# Altium PCB 大风车第二版.PcbDoc (part 1 of 2)
Units mil, origin at the board's own origin, x right, y up, seen from the top; angles counter-clockwise.
Board outline 3937.01 x 3937.01 mil, 2 copper layers (Top Layer, Bottom Layer); 147 components, 109 nets, 496 pads, 837 vias.
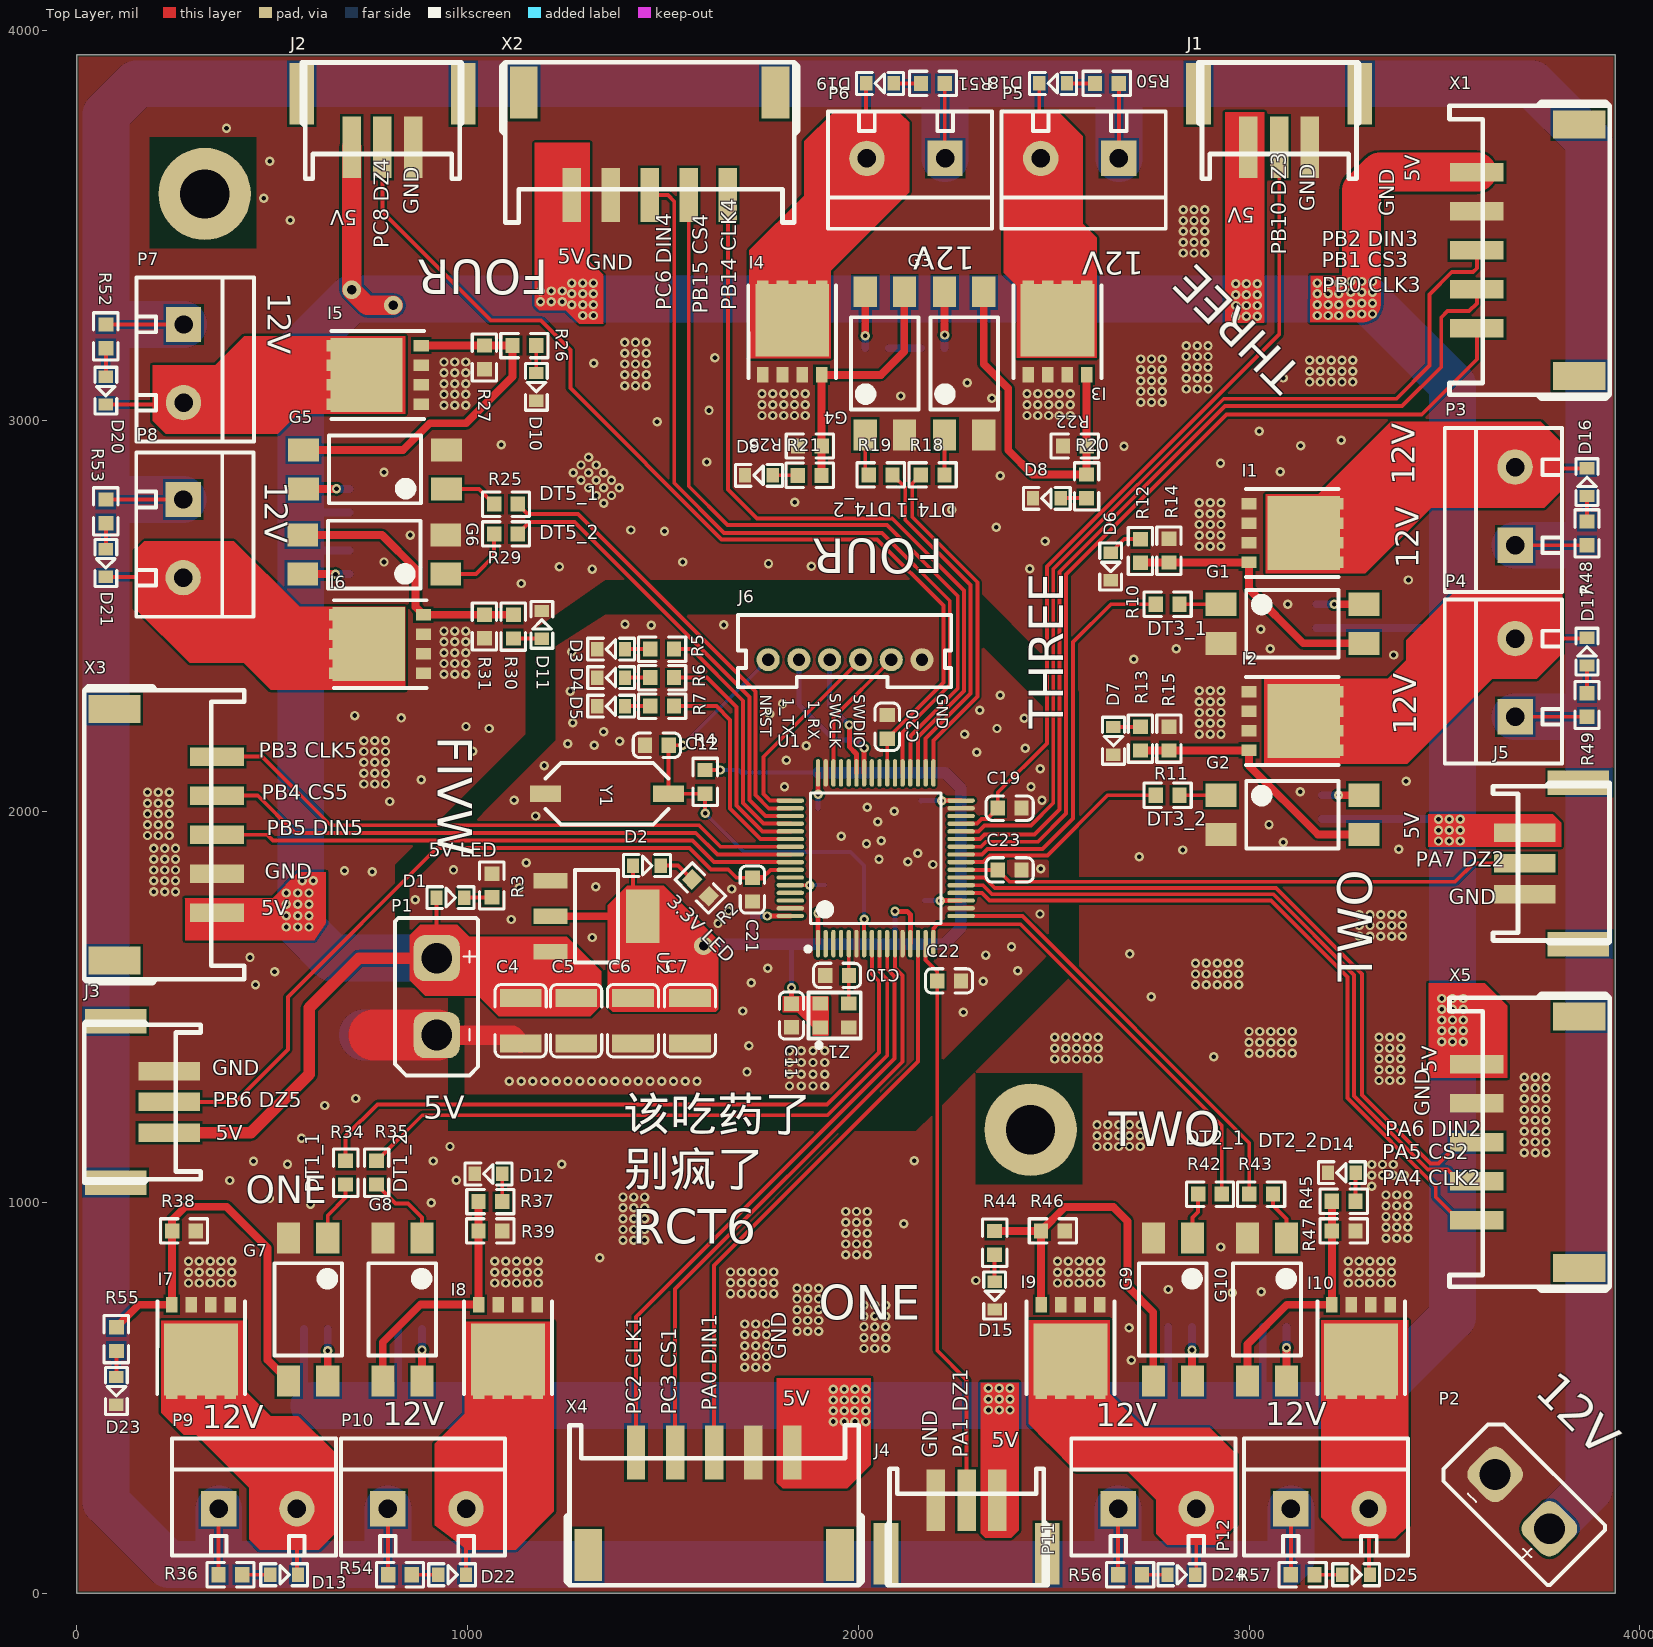
[diagram p0: Top Layer view]
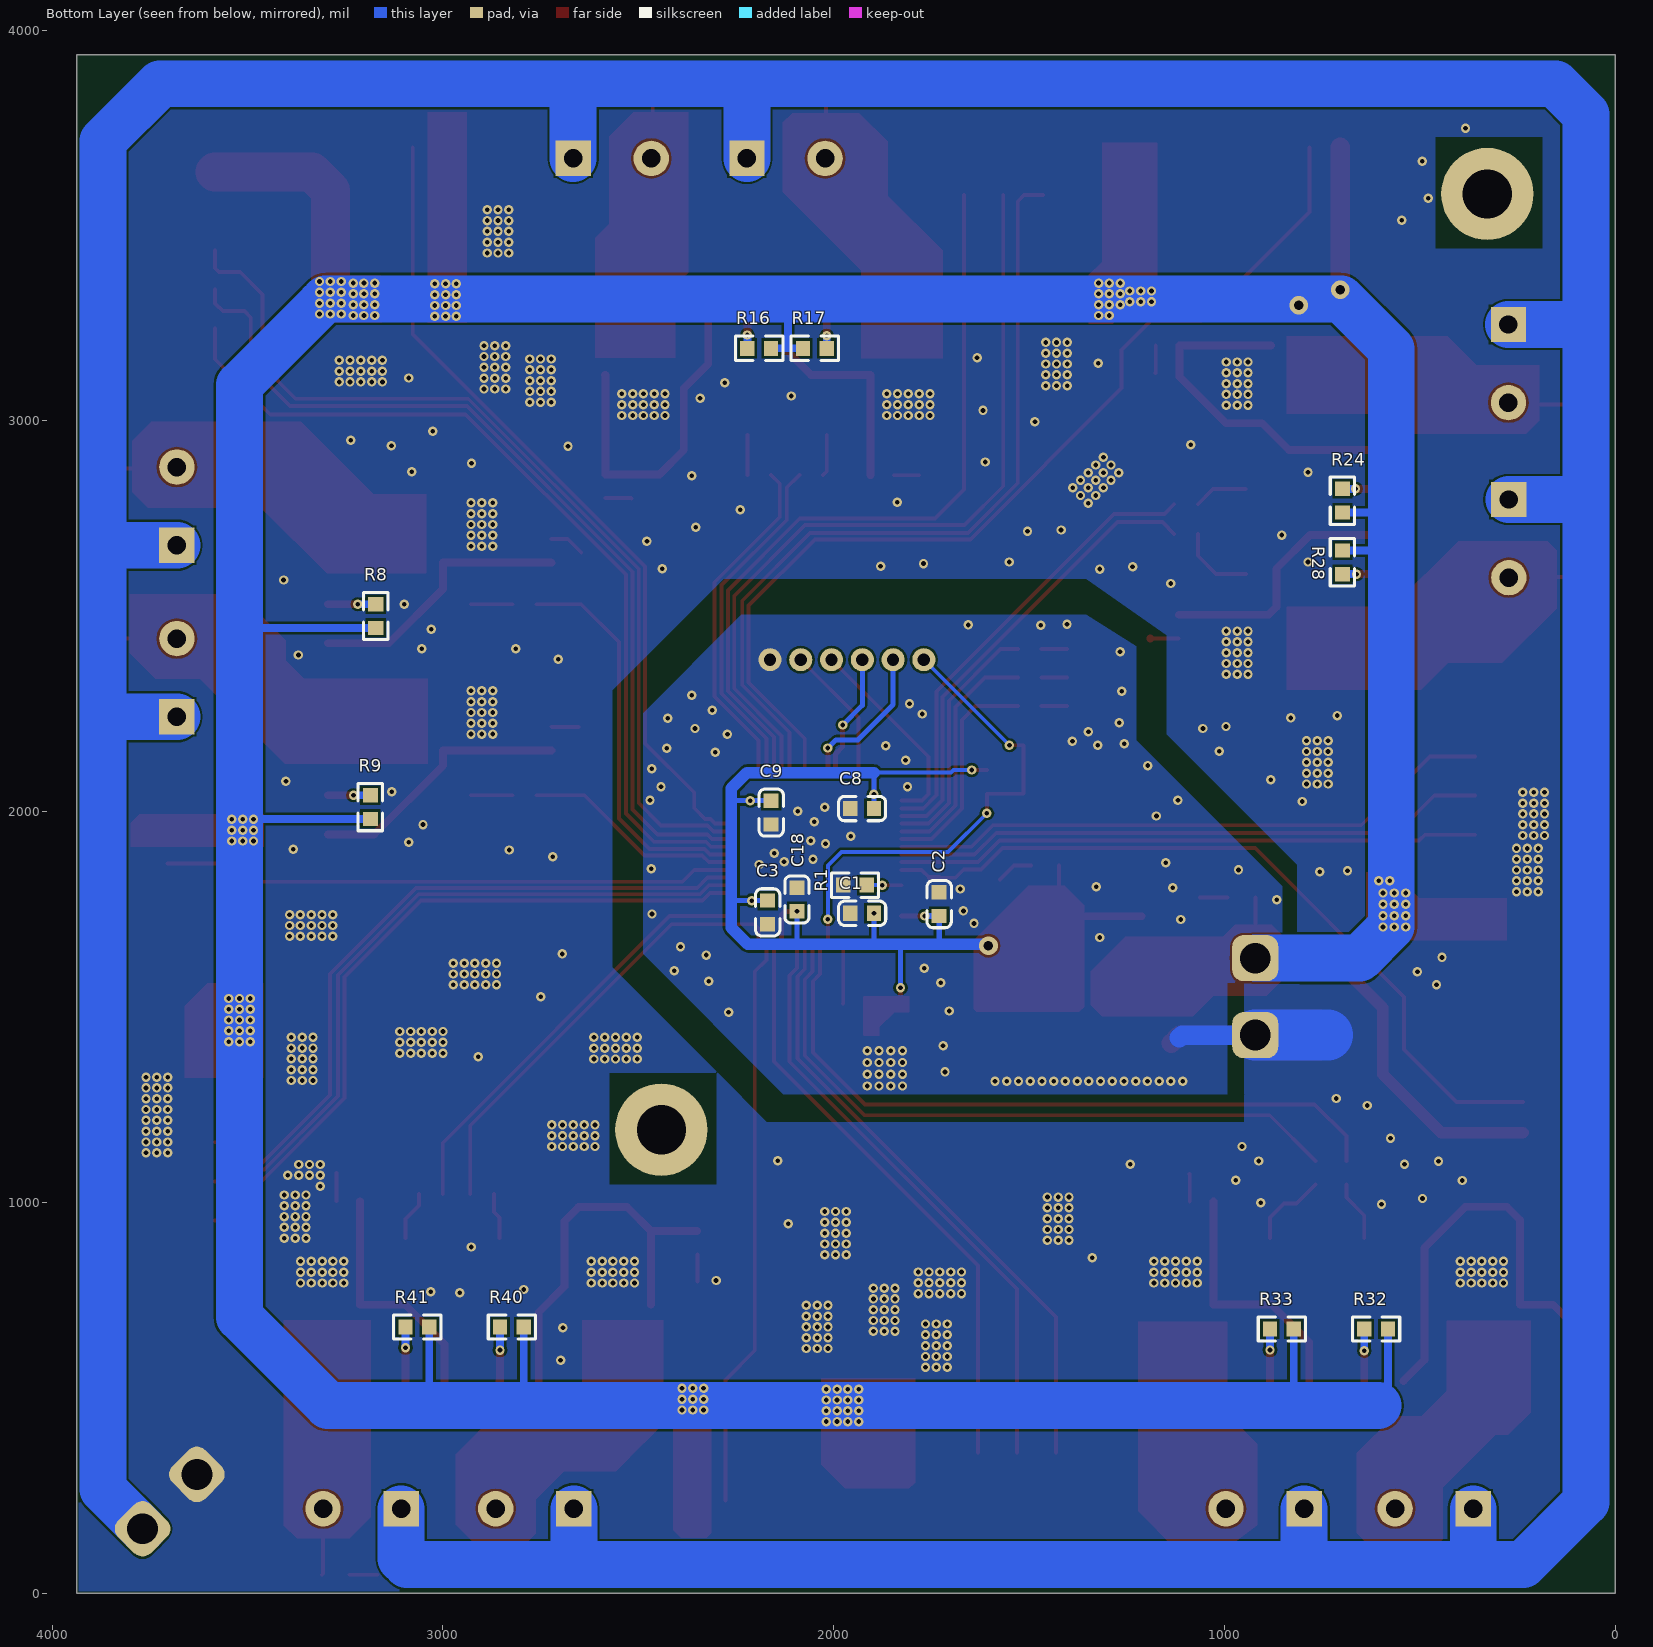
[diagram p1: Bottom Layer view, seen from below]

## Layer stack, top to bottom
Top Solder: solder mask 0.4, Solder Resist, Dk 3.5
Top Layer: signal copper 1.4
Dielectric 1: dielectric 12.6, FR-4, Dk 4.8
Bottom Layer: signal copper 1.4
Bottom Solder: solder mask 0.4, Solder Resist, Dk 3.5

## Board outline
0,0 0,3937.01 3937.01,3937.01 3937.01,0

## Design rules (kind name [scope] priority, off if disabled: settings)
Clearance [All] p1: gap=6 ignorepadtopadclearanceinfootprint=FALSE
PolygonConnect [All] p1: connectstyle=Direct reliefconductorwidth=10 reliefentries=4 polygonreliefangle="90 Angle" airgapwidth=10
RoutingVias [All] p1: holewidth=28 width=50 viastyle="Through Hole" minholewidth=28 minwidth=50 maxholewidth=28 maxwidth=50
SolderMaskExpansion [All] p1: expansion=4 istentingtop=FALSE
Width [All] p1: maxlimit=200 minlimit=10 preferedwidth=10
30 further rules are at their usual default settings.

## Classes and differential pairs
component class 大风车: C1 C2 C3 C6 C8 C10 C12 C13 C14 C15 C16 C17 D1 D2 D3 D4 D5 J2 P1 P2 R1 R3 R4 R5 R6 R7 U1 U2 Y1 Z1
component class 大风车灯条1: C14 C15 D10 D11 D14 D18 G1 G2 G3 G4 I1 I2 I3 I4 J2 J4 P3 P4 P5 P6 R29 R31 R50 R56 X1 X2
component class 大风车灯条2: C16 D7 D14 D16 D23 G5 G6 I5 I6 J4 P7 P8 R29 R31 R33 R44 R50 R52 R56 X3
component class 大风车灯条: C17 D11 D14 D18 D21 D22 D23 G7 G8 G9 G10 I7 I8 I9 I10 J6 P9 P10 P11 P12 R19 R33 R39 R44 R48 R49 R50 R52 R54 R56 X4 X5

## Components (designator, comment, footprint, x,y, rotation, side; value= is the part's Value field where it differs from the comment)
C1 "?uF" 0603_C 1927.49,1740 r0 bottom
C2 "?uF" 0603_C 1730.01,1763.63 r90 bottom
C3 "?uF" 0603_C 2169.01,1742 r270 bottom
C4 "47uF" 1210_C 1136,1465 r90 top (schematic designator C5)
C5 "10uF" 1210_C 1278,1464.99 r90 top (schematic designator C6)
C6 "47uF" 1210_C 1423.01,1464.99 r90 top (schematic designator C7)
C7 "10uF" 1210_C 1569.01,1464.99 r90 top (schematic designator C8)
C8 "?uF" 0603_C 1927.01,2008 r180 bottom (schematic designator C9)
C9 "?uF" 0603_C 2160.01,1998 r90 bottom (schematic designator C10)
C10 "15pF" 0603_C 1945.38,1581 r180 top (schematic designator C11)
C11 "100nF" 0603_C 1829.01,1478 r270 top (schematic designator C12)
C12 "100nF" 0603_C 1484.01,2170.01 r180 top (schematic designator C13)
C18 "?uF" 0603_C 2094.01,1775 r270 bottom
C19 "?uF" 0603_C 2387.01,2009 r180 top (schematic designator C14)
C20 "?uF" 0603_C 2074.01,2217 r270 top (schematic designator C15)
C21 "?uF" 0603_C 1729.01,1801 r90 top (schematic designator C16)
C22 "?uF" 0603_C 2232.01,1567 r180 top (schematic designator C17)
C23 "?uF" 0603_C 2387.01,1851 r180 top (schematic designator C18)
D1 "LED0" LED-0603 954.01,1778 r0 top
D2 "LED1" LED-0603 1457.01,1860 r0 top
D3 "LED2" LED-0603 1369.57,2418 r180 top
D4 "LED3" LED-0603 1369.57,2345 r180 top
D5 "LED3" LED-0603 1369.57,2272 r180 top
D6 "LED0" LED-0603 2644.01,2629.57 r270 top (schematic designator D8)
D7 "LED0" LED-0603 2651.01,2183.57 r270 top (schematic designator D9)
D8 "LED0" LED-0603 2484.57,2804 r180 top (schematic designator D12)
D9 "LED0" LED-0603 1747.57,2863 r180 top (schematic designator D13)
D10 "LED0" LED-0603 1174.01,3089.57 r270 top (schematic designator D15)
D11 "LED0" LED-0603 1192.01,2476.43 r90 top (schematic designator D17)
D12 "LED0" LED-0603 1055.57,1075 r180 top (schematic designator D20)
D13 "LED0" LED-0603 528.43,45 r0 top (schematic designator D18)
D14 "LED0" LED-0603 3239.57,1078 r180 top (schematic designator D24)
D15 "LED0" LED-0603 2347,763.57 r270 top (schematic designator D25)
D16 "LED0" LED-0603 3867.01,2841.43 r90 top (schematic designator D6)
D17 "LED0" LED-0603 3867.01,2407.43 r90 top (schematic designator D7)
D18 "LED0" LED-0603 2500.57,3866 r180 top (schematic designator D10)
D19 "LED0" LED-0603 2057.57,3866 r180 top (schematic designator D11)
D20 "LED0" LED-0603 72.01,3079.57 r270 top (schematic designator D14)
D21 "LED0" LED-0603 72.01,2638.57 r270 top (schematic designator D16)
D22 "LED0" LED-0603 958.43,45 r0 top (schematic designator D19)
D23 "LED0" LED-0603 99,519.57 r270 top (schematic designator D21)
D24 "LED0" LED-0603 2825,45 r0 top (schematic designator D22)
D25 "LED0" LED-0603 3272.43,45 r0 top (schematic designator D23)
G1 "光耦" SMD-4 2906.82,2590.13 r90 top
G2 "光耦" SMD-4 2906.82,2101.13 r90 top
G3 "光耦" SMD-4 2161.92,2943.19 r180 top
G4 "光耦" SMD-4 1958.69,2943.19 r180 top
G5 "光耦" SMD-4 967.18,2766.87 r270 top
G6 "光耦" SMD-4 965.32,2548.87 r270 top
G7 "光耦" SMD-4 701.13,930.32 r0 top
G8 "光耦" SMD-4 942.13,930.32 r0 top
G9 "光耦" SMD-4 2914.13,930.32 r0 top
G10 "光耦" SMD-4 3155.13,930.32 r0 top
I1 "MOSFET-N" VSONP-8 3119.69,2577.13 r90 top
I2 "MOSFET-N" VSONP-8 3119.69,2096.13 r90 top
I3 "MOSFET-N" VSONP-8 2645.87,3237.68 r180 top
I4 "MOSFET-N" VSONP-8 1966.87,3237.68 r180 top
I5 "MOSFET-N" VSONP-8 761.32,3253.87 r270 top
I6 "MOSFET-N" VSONP-8 767.32,2564.87 r270 top
I7 "MOSFET-N" VSONP-8 182.13,618.32 r0 top
I8 "MOSFET-N" VSONP-8 967.13,618.32 r0 top
I9 "MOSFET-N" VSONP-8 2407.13,618.32 r0 top
I10 "MOSFET-N" VSONP-8 3151.13,618.32 r0 top
J1 "PH 3P" PH3P 3117.9,3468.66 r0 top (schematic designator J2)
J2 "PH 3P" PH3P 822.64,3468.66 r0 top (schematic designator J3)
J3 "PH 3P" PH3P 468,1297.89 r90 top (schematic designator J4)
J4 "PH 3P" PH3P 2236.74,469.34 r180 top (schematic designator J5)
J5 "PH 3P" PH3P 3473.67,1827.11 r270 top (schematic designator J6)
J6 "PH 6P" "PH 6P(DIP)" 1769.27,2389 r0 top (schematic designator J1)
P1 "XT30" XT30-F 920.01,1429 r90 top
P2 "XT30" XT30-F 3631,304 r315 top
P3 "接线柱" 接线柱 3796,2567 r270 top
P4 "接线柱" 接线柱 3796,2128 r270 top
P5 "接线柱" 接线柱 2782,3787 r0 top
P6 "接线柱" 接线柱 2337,3787 r0 top
P7 "接线柱" 接线柱 158,3362 r90 top
P8 "接线柱" 接线柱 157,2914 r90 top
P9 "接线柱" 接线柱 248,101 r180 top
P10 "接线柱" 接线柱 681,101 r180 top
P11 "接线柱" 接线柱 2550,101 r180 top
P12 "接线柱" 接线柱 2992,101 r180 top
R1 "10K" 0603_R 1945.32,1812 r0 bottom
R2 "50K" 0603_R 1596.01,1805 r135 top (schematic designator R3)
R3 "100K" 0603_R 1062.01,1811 r90 top (schematic designator R2)
R4 "10K" 0603_R 1608.01,2076.31 r90 top
R5 "10K" 0603_R 1498.01,2416 r0 top
R6 "10K" 0603_R 1498.01,2343 r0 top
R7 "10K" 0603_R 1498.01,2270 r0 top
R8 "500R" 0603_R 3172.01,2500.69 r270 bottom (schematic designator R10)
R9 "500R" 0603_R 3186.01,2011.69 r270 bottom (schematic designator R11)
R10 "10K" 0603_R 2791.69,2531 r0 top (schematic designator R12)
R11 "10K" 0603_R 2791.69,2042 r0 top (schematic designator R13)
R12 "50K" 0603_R 2722.01,2667.32 r270 top (schematic designator R14)
R13 "50K" 0603_R 2722.01,2187 r270 top (schematic designator R15)
R14 "10K" 0603_R 2795,2668 r270 top (schematic designator R16)
R15 "10K" 0603_R 2795,2187 r270 top (schematic designator R17)
R16 "500R" 0603_R 2190.69,3186 r180 bottom (schematic designator R20)
R17 "500R" 0603_R 2048.32,3186 r0 bottom (schematic designator R21)
R18 "10K" 0603_R 2190.32,2862 r0 top (schematic designator R22)
R19 "10K" 0603_R 2057.32,2862 r180 top (schematic designator R23)
R20 "50K" 0603_R 2584.32,2832.68 r90 top (schematic designator R24)
R21 "50K" 0603_R 1875.69,2861 r0 top (schematic designator R25)
R22 "10K" 0603_R 2554.01,2936 r0 top (schematic designator R26)
R23 "10K" 0603_R 1876.01,2936 r0 top (schematic designator R27)
R24 "500R" 0603_R 698.01,2796 r270 bottom (schematic designator R29)
R25 "10K" 0603_R 1098.32,2787 r180 top (schematic designator R30)
R26 "50K" 0603_R 1145.32,3193 r180 top (schematic designator R31)
R27 "10K" 0603_R 1043.01,3162.68 r90 top (schematic designator R32)
R28 "500R" 0603_R 698.01,2638.31 r90 bottom (schematic designator R34)
R29 "10K" 0603_R 1098.32,2711 r180 top (schematic designator R35)
R30 "50K" 0603_R 1117.01,2473.68 r90 top (schematic designator R36)
R31 "10K" 0603_R 1043.01,2474 r90 top (schematic designator R37)
R32 "500R" 0603_R 611.69,676 r180 bottom (schematic designator R40)
R33 "500R" 0603_R 853.01,676 r180 bottom (schematic designator R41)
R34 "10K" 0603_R 688,1076 r270 top (schematic designator R42)
R35 "10K" 0603_R 767,1076 r270 top (schematic designator R43)
R36 "50K" 0603_R 393,47 r180 top (schematic designator R38)
R37 "50K" 0603_R 1058.32,1002 r180 top (schematic designator R45)
R38 "10K" 0603_R 274,927 r180 top (schematic designator R46)
R39 "10K" 0603_R 1058,927 r180 top (schematic designator R47)
R40 "500R" 0603_R 2823.69,681 r180 bottom (schematic designator R50)
R41 "500R" 0603_R 3065.69,681 r180 bottom (schematic designator R51)
R42 "10K" 0603_R 2900.01,1021 r180 top (schematic designator R52)
R43 "10K" 0603_R 3031,1021 r0 top (schematic designator R53)
R44 "50K" 0603_R 2349,896.68 r90 top (schematic designator R54)
R45 "50K" 0603_R 3242.32,1003 r180 top (schematic designator R55)
R46 "10K" 0603_R 2498,927 r180 top (schematic designator R56)
R47 "10K" 0603_R 3242.32,927 r180 top (schematic designator R57)
R48 "50K" 0603_R 3865.01,2712.32 r270 top (schematic designator R8)
R49 "50K" 0603_R 3865.01,2273 r270 top (schematic designator R9)
R50 "50K" 0603_R 2636.01,3864 r0 top (schematic designator R18)
R51 "50K" 0603_R 2191.01,3864 r0 top (schematic designator R19)
R52 "50K" 0603_R 74.01,3216.68 r90 top (schematic designator R28)
R53 "50K" 0603_R 74.01,2768.68 r90 top (schematic designator R33)
R54 "50K" 0603_R 827,47 r180 top (schematic designator R39)
R55 "50K" 0603_R 101,650 r90 top (schematic designator R44)
R56 "50K" 0603_R 2695.69,47 r180 top (schematic designator R48)
R57 "50K" 0603_R 3137.32,47 r180 top (schematic designator R49)
U1 "STM32F103RGT6" STM32F1 780.65,1161.88 r0 top
U2 "AMS1117" AMS1117 1469.12,1606.55 r90 top
X1 "XH5P" XH5P 3306.01,3723 r270 top
X2 "XH5P" XH5P 1180.01,3301 r0 top
X3 "XH5P" XH5P 635.66,1655 r90 top
X4 "XH5P" XH5P 1917,637 r180 top
X5 "XH5P" XH5P 3306.01,1440 r270 top
Y1 "电键" 电键 1357.01,2046.01 r0 top
Z1 "8MHz" OSC-SMD_4P-L2.5-W2.0-BL 1870.01,1417 r0 top

## Footprints (in the part's own frame and the unit in brackets; to place one, negate y for a bottom-side part, rotate by r counter-clockwise, add the part's x,y. Pads: shape width x height; smd on the part's side, far side on the other; paste and mask are expansions set on the pad)
0603_C [mm]
  rect 0.93x0.98 smd: 1(-0.778,0) 2(0.762,0)
  silkscreen extent -1.54,-0.79 1.53,0.79, body extent -0.81,-0.4 0.79,0.4, height 0.3
0603_R [mm]
  rect 0.93x0.98 smd: 1(-0.77,0) 2(0.77,0)
  silkscreen extent -1.53,-0.79 1.54,0.79, body extent -0.85,-0.4 0.85,0.4, height 0.56
1210_C [mm]
  rect 1.16x2.72 smd: 1(-1.475,0) 2(1.475,0)
  silkscreen extent -2.35,-1.66 2.36,1.66, body extent -1.6,-1.25 1.6,1.25, height 1.3
AMS1117 [mm]
  rect 1x2.2 smd: 1(5.5,6.531) 2(3.2,6.531) 3(0.9,6.531)
  rect 3.5x2.2 smd: 2(3.2,0.531)
  silkscreen extent 0.2,2.13 6.2,4.93, body extent -0.04,0.04 6.44,7.02, height 1.64
LED-0603 [mm]
  rect 0.8x0.95 smd: 1(-0.849,0.051) 2(0.951,0.051)
  silkscreen extent -1.47,-0.66 1.57,0.76, body extent -0.75,-0.34 0.85,0.46, height 0.8
OSC-SMD_4P-L2.5-W2.0-BL [mil]
  rect 39.37x35.43 smd: 1(32.77,30.58) 2(106,30.58) 3(106,92) 4(32.77,92)
  silkscreen extent 2,-21 136,120
PH3P [mm]
  rect 1.6x4 smd: 0(-6.28,9.373) 0(4.216,9.373)
  rect 1.2x4 smd: 1(-3.032,5.893) 2(-1.032,5.893) 3(0.968,5.893)
  silkscreen extent -6.28,3.84 4.17,11.4, body extent -6.05,4.17 3.95,11.57, height 6.5
"PH 6P(DIP)" [mm]
  round 1.5 hole 0.8: 1(10,0) 2(8,0) 3(6,0) 4(4,0) 5(2,0) 6(0,0)
  silkscreen extent -1.95,-1.79 11.9,2.91, body extent -1.95,-1.7 11.95,2.8, height 6
SMD-4 [mm]
  rect 1.5x2 smd: 1(-1.502,-0.538) 2(-4.042,-0.538) 3(-4.042,-9.838) 4(-1.502,-9.838)
  silkscreen extent -4.97,-8.19 -0.57,-2.19, body extent -5.06,-10.7 -0.49,0.22, height 3.7
STM32F1 [mm]
  oval 0.28x1.796 smd: 1(28.352,12.709) 2(28.852,12.709) 3(29.352,12.709) 4(29.852,12.709) 5(30.352,12.709) 6(30.852,12.709) 7(31.352,12.709) 8(31.852,12.709) 9(32.352,12.709) 10(32.852,12.709) 11(33.352,12.709) 12(33.852,12.709) 13(34.352,12.709) 14(34.852,12.709) 15(35.352,12.709) 16(35.852,12.709) 33(35.852,23.809) 34(35.352,23.809) 35(34.852,23.809) 36(34.352,23.809) 37(33.852,23.809) 38(33.352,23.809) 39(32.852,23.809) 40(32.352,23.809) 41(31.852,23.809) 42(31.352,23.809) 43(30.852,23.809) 44(30.352,23.809) 45(29.852,23.809) 46(29.352,23.809) 47(28.852,23.809) 48(28.352,23.809)
  oval 1.796x0.28 smd: 17(37.652,14.509) 18(37.652,15.009) 19(37.652,15.509) 20(37.652,16.009) 21(37.652,16.509) 22(37.652,17.009) 23(37.652,17.509) 24(37.652,18.009) 25(37.652,18.509) 26(37.652,19.009) 27(37.652,19.509) 28(37.652,20.009) 29(37.652,20.509) 30(37.652,21.009) 31(37.652,21.509) 32(37.652,22.009) 49(26.552,22.009) 50(26.552,21.509) 51(26.552,21.009) 52(26.552,20.509) 53(26.552,20.009) 54(26.552,19.509) 55(26.552,19.009) 56(26.552,18.509) 57(26.552,18.009) 58(26.552,17.509) 59(26.552,17.009) 60(26.552,16.509) 61(26.552,16.009) 62(26.552,15.509) 63(26.552,15.009) 64(26.552,14.509)
  silkscreen extent 27.55,12.21 36.35,22.51
VSONP-8 [mil]
  rect 29.5x39.37 smd: D(60.87,-102.33) D(110.87,-102.33) D(160.87,-102.33) D(210.87,-102.33) G(60.87,119.67) S(110.87,119.67) S(160.87,119.67) S(210.87,119.67)
  rect 189x185 smd: D(135.87,-20.32)
  silkscreen extent 24,-109 248,128
XH5P [mm]
  rect 1.8x3.4 smd: 0(-0.916,13.705) 0(15.444,13.705)
  rect 1.2x3.5 smd: 1(2.184,7.036) 2(4.724,7.036) 3(7.264,7.036) 4(9.804,7.036) 5(12.344,7.036)
  silkscreen extent -2.39,5.26 16.92,15.67
XT30-F [mm]
  rrect50% 3x3 hole 2: 1(4.981,-0.026) 2(-0.019,-0.026)
  silkscreen extent -2.64,-2.71 7.59,2.69, body extent -2.79,-2.63 7.61,2.67, height 12.6
接线柱 [mm]
  rect 2.3x2.3 hole 1.2: 1(-2.921,-2.921)
  round 2.3 hole 1.2: 2(-8.001,-2.921)
  silkscreen extent -10.54,-7.49 0.13,0.13, body extent -10.42,-7.43 0.08,0.17, height 10.05
电键 [mm]
  rect 2x1.1 smd: 1(-4,0) 2(4,0)
  silkscreen extent -4,-2 4,2

## Part data
C1 C2 C3 C4 C5 C6 C7 C8 C9 C10 C11 C12 C18 C19 C20 C21 C22 C23: library part Cap, LatestRevisionDate=17-Jul-2002, LatestRevisionNote="Re-released for DXP Platform.", PackageReference=RAD-0.3, Published=8-Jun-2000, Publisher="Altium Limited"
D1 D6 D7 D8 D9 D10 D11 D12 D13 D14 D15 D16 D17 D18 D19 D20 D21 D22 D23 D24 D25: "发光二极管", LatestRevisionDate=08-Jul-2005, LatestRevisionNote="Mech Layer 1 removed.", PackageReference=LED-0, Published=8-Jun-2000, Publisher="Altium Limited"
D2 D3 D4 D5: library part LED0, "发光二极管", LatestRevisionDate=08-Jul-2005, LatestRevisionNote="Mech Layer 1 removed.", PackageReference=LED-0, Published=8-Jun-2000, Publisher="Altium Limited"
R1 R2 R3 R4 R5 R6 R7 R8 R9 R10 R11 R12 R13 R14 R15 R16 R17 R18 R19 R20 R21 R22 R23 R24 R25 R26 R27 R28 R29 R30 R31 R32 R33 R34 R35 R36 R37 R38 R39 R40 R41 R42 R43 R44 R45 R46 R47 R48 R49 R50 R51 R52 R53 R54 R55 R56 R57: library part Res, LatestRevisionDate=17-Jul-2002, LatestRevisionNote="Re-released for DXP Platform.", PackageReference=AXIAL-0.4, Published=8-Jun-2000, Publisher="Altium Limited"

## Free pads (board coordinates)
  round 236.22 hole 125.98 unplated: 0(327,3581) 0(2441,1186)

## Via types
v1: diameter 24, hole 12, Top Layer to Bottom Layer, tented both sides, 834 vias
v2: diameter 48, hole 24, Top Layer to Bottom Layer, tented both sides, 3 vias

## Nets (pads, with @x,y where several pads share a name; then routed paths per layer and width w, separated by ;. In a path a pad name is that pad's centre, name@x,y a point inside that pad or via, vN(x,y) a via of type N, cw(c..) or ccw(c..) an arc to the next point about the centre after c; other vN are vias at no path point)
3.3V: C1.1 C2.1 C3.1 C6.2 C7.2 C8.2 C9.2 C11.1 C18.2 D2.1 R4.2 U1.1 U1.13 U1.19 U1.32 U1.48 U1.64 U2.2 Z1.1 Z1.4 | length 3217.1
  Top Layer w10: D2.1@1423.57,1862 1423.57,1757.2 U2.2@1448.23,1732.55 ; R4.2@1608.01,2106.63 v1(1647.01,2106.63)
  Top Layer w13: v1@1767.1,1733.09 U1.64@1826,1733.09 ; C11.1@1829.01,1509 v1(1829.01,1549) ; U1.1@1896.86,1662.23 v1(1896.86,1740) ; U1.48@1896.86,2099.23 1896.86,2045.15 v1(1897.01,2045) ; v1(2094.01,1745) 2125.01,1745 2133.08,1736.93 U1.13@2133.08,1662.23 ; v1(2210.01,1772.46) U1.19@2263,1772.46 ; v1(2213.38,2028.37) U1.32@2263,2028.37
  Top Layer w15: v1(1767.01,1733) v1@1767.1,1733.09
  Top Layer w20: U2.2@1212.01,1732.55 U2.2@1448.23,1732.55 ; C7.2@1569.01,1523.06 C7.2@1574.94,1529
  Bottom Layer w10: v1(1647.01,2106.63) 1693.38,2106.63 1700.01,2100 1897.01,2100
  Bottom Layer w13: v1(1829.01,1549) 1829.01,1660 1830.01,1661 ; v1(1896.86,1740) 1896.86,1661.85 1896.01,1661 1897.01,1660 ; C8.2@1897.01,2008 v1(1897.01,2045) 1897.01,2100 ; 2094.01,1662 v1(2094.01,1745) ; 2133.01,1660 2134.01,1661 ; C9.2@2160.01,2028 2160.38,2028.37 v1(2213.38,2028.37) 2261.38,2028.37 2262.01,2029 ; C3.1@2169.01,1772.63 2169.18,1772.46 v1(2210.01,1772.46) 2261.55,1772.46 2262.01,1772
  Bottom Layer w15: 1729.01,1661 1730.01,1662 C2.1@1730.01,1733 v1(1767.01,1733)
  Bottom Layer w30: v2(1604.01,1657) 1608.01,1661 1729.01,1661 1830.01,1661 1896.01,1661 2134.01,1661 2220.01,1661 2262.01,1703 2262.01,1772 2262.01,2029 2262.01,2060 2222.01,2100 1897.01,2100
5V: C4.2 C5.2 D1.1 J1.1 J2.1 J3.1 J4.1 J5.1 P1.1 R8.2 R9.2 R16.2 R17.2 R24.2 R28.2 R32.2 R33.2 R40.2 R41.2 U2.3 X1.1 X2.1 X3.1 X4.1 X5.1 | length 14512.3
  Top Layer w10: D1.1@920.57,1780 920.57,1625.55 P1.1@921.03,1625.09
  Top Layer w30: J3.1@236,1178.52 445.53,1178.52 595.01,1328 595.01,1498 722.1,1625.09 P1.1@921.03,1625.09
  Top Layer w50: J2.1@703.27,3700.66 v2(703.27,3335.74) 743.01,3296 v2(810.01,3296)
  Top Layer w100: v1@3288.01,3301.63 3288.01,3590 3335.01,3637 X1.1@3583.01,3637
  Bottom Layer w20: 573.01,2669 573.38,2668.63 R28.2@698.01,2668.63 ; 573.01,2768 575.32,2765.68 R24.2@698.01,2765.68 ; R32.2@581.38,676 581.38,505.63 607.01,480 ; R33.2@822.69,676 822.69,483.32 826.01,480 ; R17.2@2078.64,3186 2117.01,3186 ; 2115.01,3312.62 2117.01,3310.62 2117.01,3186 ; R16.2@2160.38,3186 2117.01,3186 ; 2792.01,480 2793.38,481.37 R40.2@2793.38,681 ; 3035.01,480 3035.38,480.37 R41.2@3035.38,681 ; R8.2@3172.01,2470.37 3520.38,2470.37 3521.01,2471 ; R9.2@3186.01,1981.37 3520.64,1981.37 v1@3521.01,1981
  Bottom Layer w120: 607.01,480 826.01,480 1963.67,480 2333.01,480 2388.34,480 2792.01,480 3035.01,480 3294.01,480 3521.01,707 3521.01,1439.04 3521.01,1494.37 3521.01,1952.67 3521.01,1981 3521.01,2471 3521.01,3092 3313.69,3299.32 3300.39,3312.62 3260.67,3312.62 3174.67,3312.62 2115.01,3312.62 1294.34,3312.62 1214.34,3312.62 810.01,3312.62 701.63,3312.62 573.01,3184 573.01,2768 573.01,2669 573.01,1706 653.91,1625.09 P1.1@921.03,1625.09
  other v1: 1936.01,439 1963.67,439 1991.34,439 2019.01,439 1936.01,466.67 1963.67,466.67 1991.34,466.67 2019.01,466.67 2333.01,468.7 2360.67,468.7 2388.34,468.7 1936.01,494.33 1963.67,494.33 1991.34,494.33 2019.01,494.33 2333.01,496.37 2360.67,496.37 2388.34,496.37 1936.01,522 1963.67,522 1991.34,522 2019.01,522 2333.01,524.04 2360.67,524.04 2388.34,524.04 3493.01,1411.37 3520.67,1411.37 3548.34,1411.37 3493.01,1439.04 3520.67,1439.04 3548.34,1439.04 3493.01,1466.7 3520.67,1466.7 3548.34,1466.7 3493.01,1494.37 3520.67,1494.37 3548.34,1494.37 3493.01,1522.04 3520.67,1522.04 3548.34,1522.04 536.01,1705 565.01,1705 594.01,1705 536.01,1734 565.01,1734 594.01,1734 536.01,1763 565.01,1763 594.01,1763 536.01,1792 565.01,1792 594.01,1792 577.01,1823 605.01,1823 3484.97,1925 3512.64,1925 3540.3,1925 3484.97,1952.67 3512.64,1952.67 3540.3,1952.67 3484.97,1980.33 3512.64,1980.33 3540.3,1980.33 2965.67,3267.96 2993.34,3267.96 3021.01,3267.96 1294.34,3269.96 1322.01,3269.96 3174.67,3269.96 3202.34,3269.96 3230.01,3269.96 3260.67,3273.96 3288.34,3273.96 3316.01,3273.96 2965.67,3295.63 2993.34,3295.63 3021.01,3295.63 1266.67,3297.63 1294.34,3297.63 1322.01,3297.63 3174.67,3297.63 3202.34,3297.63 3230.01,3297.63 3260.67,3301.63 3288.34,3301.63 3316.01,3301.63 1186.67,3304.96 1214.34,3304.96 1242.01,3304.96 2965.67,3323.3 2993.34,3323.3 3021.01,3323.3 1266.67,3325.3 1294.34,3325.3 1322.01,3325.3 3174.67,3325.3 3202.34,3325.3 3230.01,3325.3 3260.67,3329.3 3288.34,3329.3 3316.01,3329.3 1186.67,3332.63 1214.34,3332.63 1242.01,3332.63 2965.67,3350.96 2993.34,3350.96 3021.01,3350.96 1266.67,3352.96 1294.34,3352.96 1322.01,3352.96 3174.67,3352.96 3202.34,3352.96 3230.01,3352.96 3260.67,3356.96 3288.34,3356.96 3316.01,3356.96
12V: P2.1 P3.1 P4.1 P5.1 P6.1 P7.1 P8.1 P9.1 P10.1 P11.1 P12.1 R36.2 R48.2 R49.2 R50.2 R51.2 R52.2 R53.2 R54.2 R56.2 R57.2 | length 17690
  Top Layer w10: R53.2@74.01,2799 P8.1@272,2799 ; R52.2@74.01,3247 P7.1@273,3247 ; R36.2@362.68,47 362.68,215.69 P9.1@363,216 ; P10.1@796,216 796,47.69 R54.2@796.68,47 ; R51.2@2221.32,3864 2221.32,3672.68 P6.1@2222,3672 ; P11.1@2665,216 2665,47.37 R56.2@2665.37,47 ; R50.2@2666.32,3864 2667,3863.32 P5.1@2667,3672 ; R57.2@3107,47 P12.1@3107,216 ; P4.1@3681,2243 3864.69,2243 R49.2@3865.01,2242.68 ; P3.1@3681,2682 R48.2@3865.01,2682
  Bottom Layer w120: P8.1@272,2799 81,2799 75,2805 ; P7.1@273,3247 80,3247 75,3252 ; P9.1@363,216 363,75.99 360.01,73 ; P10.1@796,216 796,78.01 801.01,73 ; P6.1@2222,3672 2222,3860.01 2219.01,3863 ; P11.1@2665,216 2665,79.01 2671.01,73 ; P5.1@2667,3672 2667,3860.01 2664.01,3863 ; P12.1@3107,216 3107,88.01 3091.99,73 2671.01,73 ; P4.1@3681,2243 3870.01,2243 ; P3.1@3681,2682 3869.01,2682 3870.01,2681 ; P2.1@3768.94,164.62 3870.01,265.69 3870.01,2243 ; 75,2805 75,3252 ; 75,2805 75,233.01 235.01,73 360.01,73 ; 75,3252 75,3785 153,3863 2219.01,3863 ; 360.01,73 801.01,73 ; 801.01,73 2671.01,73 ; 2219.01,3863 2664.01,3863 ; 2664.01,3863 3724,3863 3870.01,3716.99 3870.01,2681 ; 3870.01,2243 3870.01,2681